# Allegro board T736_DEMO_DBOARD_V0-5-draft.brd (continued)
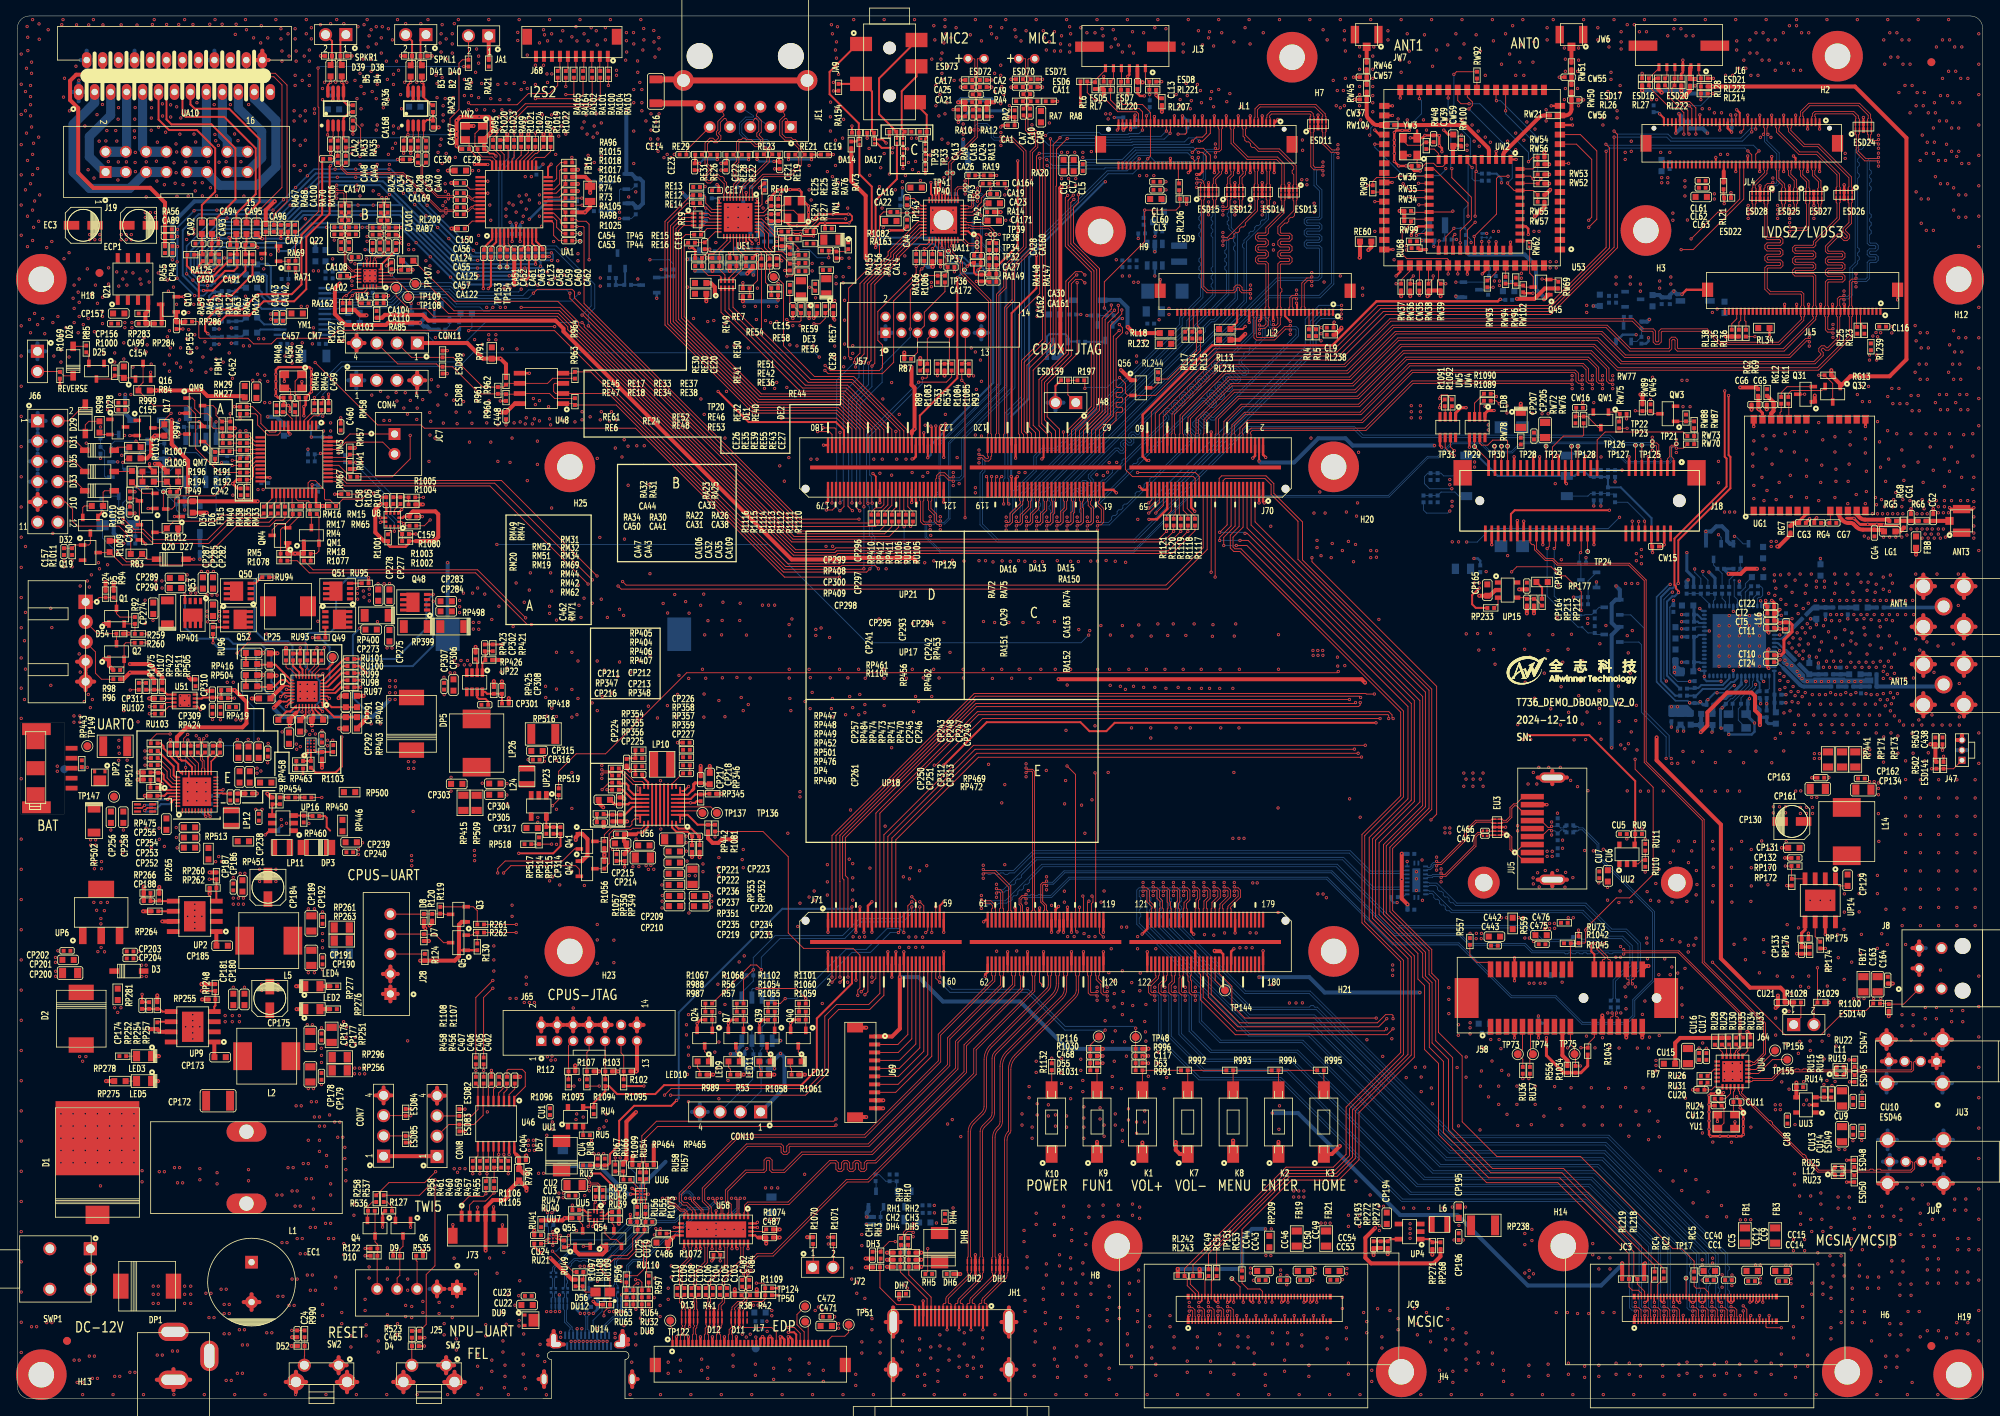
[diagram p0: board, top side]
## Routing (per net, layer and track width the routed paths; a pad name or vN(x,y) marks a point on that pad's centre or on a via; arc(x,y) is an arc through that point) (continued)
  TOP w0.381: v1(72.14,12.19) 72.54,11.79 DU12.1 ; RP172.1 v1(221.67,64.3) ; v1(39.5,162.71) 39.55,162.77 UA4.7 ; v1(58.93,154.69) v1(57.26,154.71) ; CP163.1 v1(224.82,77.83) ; v1(55.02,157.01) 55.4,156.62 CE30.1 ; C468.1 v1(135.99,42.95) ; CE27.1 102.23,135.36 v1(102.39,135.2) ; UP14.7 v1(226.49,58.19) ; v1(49.53,162.71) 49.59,162.77 UA2.7 ; D53.1 v1(141.7,42.05) ; v1(48.39,156.11) RA24.1 ; RP174.1 v1(226.49,56.43) ; v1(37.97,168.3) D39.1 ; v1(51.94,168.3) D40.1 ; v1(39.24,156.11) CA42.2 ; v1(49.28,156.11) CA34.2 ; CP132.1 v1(221.41,67.77) ; v1(41.91,168.3) D38.1 ; D55.1 v1(135.99,42.05) ; RP175.1 v1(224.37,58.33) ; C117.1 v1(141.7,42.95) ; CP131.1 v1(221.03,69.04) ; v1(48.01,168.3) D41.1
  TOP w0.406: ESD88.1 v1(53.85,128.48) ; v1(191.6,74.45) JU5.4 ; ESD89.1 v1(53.85,131.36)
  TOP w0.508: J65.4 67.63,47.68 ; J65.4 68.46,46.85 ; J65.4 66.8,46.85 ; J65.4 67.63,46.02 ; D54.1 v1(13.97,95.89) ; 239.99,45.01 JU3.8 ; JU3.8 242.34,45.01 ; JU3.8 241.17,46.19 ; EC1.2 29.34,13.08 ; EC1.2 30.32,12.11 ; EC1.2 29.34,11.13 ; EC1.2 28.36,12.11 ; CP308.2 v1(60.71,89.9) ; SW2.4 36.18,2.09 ; SW2.4 33.62,2.09 ; SW2.4 34.9,0.81 ; SW2.4 34.9,3.37 ; 68.46,6.8 JU2.4 66.5,6.8 ; 29.91,167.78 UA10.24 ; UA10.24 30.69,168.95 ; UA10.24 31.46,167.78 ; CH3.1 v1(113.26,17.41) ; J10.9 3.54,112.39 ; J10.9 1.54,112.39 ; J10.9 2.54,111.39 ; J10.9 2.54,113.4 ; 109.72,2.32 JH1.22 ; JH1.22 110.65,3.64 ; JH1.22 108.79,3.64 ; JH1.22 109.72,4.97 ; R1019.1 v1(65.91,158.5) ; J25.2 52.57,14.68 ; J25.2 53.5,13.75 ; J25.2 52.57,12.82 ; 45.88,37.01 CON7.4 ; CON7.4 45.88,39.02 ; CON7.4 46.88,38.01 ; CON7.4 44.87,38.01 ; SW3.4 48.36,3.37 ; SW3.4 48.36,0.81 ; SW3.4 49.64,2.09 ; SW3.4 47.08,2.09 ; 55.07,12.82 J25.1 ; J25.1 54.15,13.75 ; J25.1 56,13.75 ; J25.1 55.07,14.68 ; v1(51.64,59.31) 51.97,59.64 R120.2 ; 77.63,46.02 J65.14 ; J65.14 78.46,46.85 ; J65.14 77.63,47.68 ; J65.14 76.8,46.85 ; C164.2 v1(234.95,52.03) ; J58.B16 v1(201.56,45.26) ; 75.82,8.48 JU2.1 76.5,7.3 ; 65.98,1.47 JU2.6 ; JU2.6 65.3,2.45 ; JU2.6 65.98,3.43 ; DH7.1 v1(110.47,12.44) ; K2.1 v1(157.99,32.18) ; JU2.5 77.7,2.45 ; JU2.5 77.02,3.43 ; JU2.5 77.02,1.47 ; 71.63,46.02 J65.8 ; J65.8 70.8,46.85 ; J65.8 72.46,46.85 ; J65.8 71.63,47.68 ; 45.8,53.23 J28.2 ; J28.2 47.66,53.23 ; J28.2 46.73,54.16 ; J28.2 46.73,52.3 ; 65.63,46.02 J65.2 ; J65.2 65.63,47.68 ; J65.2 66.46,46.85 ; DH5.1 v1(113.26,16.52) ; JH1.21 124.22,11.43 ; JH1.21 125.15,9.6 ; JH1.21 123.29,9.6 ; JH1.21 124.22,7.78 ; v1(40.23,87.81) 40.51,88.09 CP291.2 ; v1(220.27,48.97) 220.56,49.26 CU21.1 v1(220.56,50.52) ; LED4.2 v1(34.92,51.69) ; J1.2 19.56,3.69 ; J1.2 19.56,1.05 ; J1.2 21.64,2.37 ; J1.2 17.47,2.37 ; 39.25,4.19 SW2.1 ; SW2.1 40.25,3.18 ; SW2.1 41.25,4.19 ; SW2.1 40.25,5.19 ; C150.2 v1(53.92,153.92) ; 66.5,7.3 JU2.3 67.18,8.48 ; JU5.10 194.12,65.05 ; JU5.10 192.29,65.88 ; JU5.10 190.46,65.05 ; JU5.10 192.29,64.22 ; R41.1 v1(89.87,13.72) ; CP224.2 76.33,79.11 v1(76.72,78.71) ; 234.29,25.79 JU4.5 ; JU4.5 233.12,26.97 ; JU4.5 235.47,26.97 ; RP213.2 v1(189.99,98.42) ; RW56.1 v1(191.9,154.71) ; v1(145.12,32.16) 145.12,31.17 145.63,30.66 K7.1 ; v1(152.3,32.33) 152.3,32.33 K8.1 ; RP423.1 v1(57.4,94.22) ; CA122.2 v1(54.38,146.66) ; JU5.11 192.29,78.68 ; JU5.11 192.29,77.02 ; JU5.11 190.46,77.85 ; JU5.11 194.12,77.85 ; CP296.2 v1(32.59,93.42) ; D7.1 v1(51.56,57.36) ; LED5.2 v1(17.63,39.8) ; CU24.1 v1(64.75,21.06) ; YN2.2 v1(57.15,159.52) ; v1(76.05,75.18) 75.88,75.35 CP212.2 ; 68.8,46.85 J65.6 ; J65.6 69.63,47.68 ; J65.6 70.46,46.85 ; J65.6 69.63,46.02 ; R1021.1 v1(63.12,158.5) ; 50.09,126.63 CON4.4 ; CON4.4 50.09,128.64 ; CON4.4 51.09,127.64 ; CON4.4 49.08,127.64 ; J58.A18 203.97,54.23 v1(204.34,54.23) ; UP15.2 185.17,101.35 184.45,100.63 CP165.1 v1(183.13,100.63) ; 109.72,7.78 JH1.20 ; JH1.20 108.79,9.6 ; JH1.20 110.65,9.6 ; JH1.20 109.72,11.43 ; SW3.3 56.04,2.09 ; SW3.3 54.76,3.37 ; SW3.3 53.48,2.09 ; SW3.3 54.76,0.81 ; 73.63,46.02 J65.10 ; J65.10 74.46,46.85 ; J65.10 72.8,46.85 ; J65.10 73.63,47.68 ; R94.2 v1(12.06,102.36) ; CP311.2 v1(16.51,87.76) ; 233.58,42.28 JU3.4 ; JU3.4 235.29,42.28 ; JU3.4 234.44,43.13 ; CP166.1 v1(188.13,101.43) ; 41.49,132.31 CON11.4 ; CON11.4 42.49,131.3 ; CON11.4 43.5,132.31 ; CON11.4 42.49,133.31 ; RP348.2 CP213.2 v1(76.39,72.35) ; CE29.1 58.49,157.57 YN2.4 58.41,157.77 v1(59.24,158.6) 59.41,158.78 v1(59.41,159.57) v1(59.41,160.3) 59.05,160.66 v1(58.79,160.66) v1(57.85,160.66) v1(56.96,160.66) v1(55.5,160.66) v1(55.02,160.18) v1(55.02,158.81) v1(55.02,158.05) v1(55.02,157.01) ; JH1.23 124.22,4.97 ; JH1.23 124.22,2.32 ; JH1.23 125.15,3.64 ; JH1.23 123.29,3.64 ; 7.47,92.37 J24.4 8.55,91.29 ; CP299.2 v1(30.81,93.47) ; CON8.4 52.58,38.98 ; CON8.4 51.57,37.97 ; CON8.4 52.58,36.97 ; CON8.4 53.58,37.97 ; v1(21.46,90.42) 21.74,90.15 RP505.1 ; 76.5,6.8 JU2.2 76.5,7.48 ; CP218.2 v1(86.74,79.3) ; RP472.2 v1(30.01,75.84) ; v1(165.67,31.66) 164.67,30.66 K3.1 ; FB8.2 v1(237.86,105.79) ; UP9.7 17.86,45.97 RP257.1 v1(16.55,46.31) ; v1(63.75,30.48) 63.7,30.43 C404.1 ; CA167.2 v1(52.79,159.34) ; 40.02,2.09 SW2.3 ; SW2.3 42.58,2.09 ; SW2.3 41.3,0.81 ; SW2.3 41.3,3.37 ; C487.1 v1(95.5,20.19) ; v1(73.39,74.12) 72.82,74.69 CP211.2 ; LED2.2 v1(34.98,48.82) ; J69.11 v1(106.34,46.49) ; 46.73,49.8 J28.1 ; J28.1 46.73,51.66 ; J28.1 45.8,50.73 ; J28.1 47.66,50.73 ; D8.1 50.93,59.13 v1(51.1,58.95) ; R1023.1 v1(61.37,158.5) ; CP164.1 v1(189.1,98.42) ; v1(190.12,148.21) 191.31,149.4 RW57.1 ; 52.71,4.19 SW3.1 ; SW3.1 53.71,5.19 ; SW3.1 53.71,3.18 ; SW3.1 54.72,4.19 ; JU4.7 242.47,26.97 ; JU4.7 240.12,26.97 ; JU4.7 241.29,25.79 ; RP458.2 31.78,75.35 v1(31.31,75.83) ; CH2.1 v1(108.94,17.41) ; J58.B13 v1(198.56,48.03) ; DH4.1 v1(108.94,16.52) ; CP292.2 v1(40.31,84) ; CA123.1 v1(62.25,139.57) ; J8.3 238.25,57.3 ; J8.3 237.42,56.48 ; J8.3 238.25,55.65 ; v1(106.34,35.29) J69.12 ; J69.10 v1(108.46,36.39) ; v1(73.45,71.63) 73.45,72.26 CP216.2 ; RP271.2 v1(177.27,18.03) ; CA56.2 v1(54.36,152.37) ; DH6.1 v1(118.12,15.62) ; R1074.1 v1(95.5,21.21) ; R1017.1 v1(70.23,152.25) ; CP310.1 v1(23.74,88.73) ; J24.5 9.63,89.87 ; J24.5 8.55,88.79 ; J24.5 7.47,89.87 ; J24.5 8.55,90.95 ; CH1.1 v1(106.26,17.56) ; JU3.6 235.34,45.01 ; JU3.6 232.99,45.01 ; JU3.6 234.17,46.19 ; JU3.6 234.17,43.83 ; UP2.7 v1(18.16,59.82) ; RP265.1 v1(17.78,64.14) ; R1015.1 v1(70.23,154.03) ; DH3.1 v1(106.29,16.46) ; RP264.1 v1(15.75,61.09) ; ESD140.1 v1(234.44,47.93) ; K1.1 v1(140.94,32.11) ; RP273.1 v1(171.68,18.11) ; D52.1 v1(34.35,6.6) ; RP255.2 v1(23.14,50.04) ; v1(203.56,45.26) J58.B18 ; RP426.1 v1(60.72,92.58) ; RP262.1 v1(24.09,63.25) ; RP254.1 v1(17.53,50.55) ; R1024.1 v1(64.01,158.5) ; R1022.1 v1(66.8,158.5) ; C24.2 v1(34.4,7.7) ; RP462.1 v1(38.16,79.08) ; K9.1 v1(135.25,32.18) ; CP298.2 v1(29.36,87.76) ; D5.1 v1(11.05,102.36) ; J69.9 v1(108.48,37.39) ; CP217.2 v1(85.6,79.31) ; RP425.1 v1(59.69,89.93) ; CP300.2 v1(30.81,90.68) ; LED3.2 v1(17.73,42.93) ; R1029.1 v1(226.95,49.66) ; RA14.1 v1(123.19,148.72) ; R1016.1 v1(70.23,151.36) ; v1(32.49,90.63) CP297.2
  TOP w0.762: JE1.10 85.04,162.35 CE16.1
  L2GND w0.508: JH1.22 109.72,4.97 ; JH1.22 110.65,3.64 ; JH1.22 109.72,2.32 ; JH1.22 108.79,3.64 ; 65.98,1.47 JU2.6 ; JU2.6 65.3,2.45 ; JU2.6 65.98,3.43 ; J65.10 74.46,46.85 ; J65.10 73.63,46.02 ; J65.10 73.63,47.68 ; J65.10 72.8,46.85 ; 39.25,4.19 SW2.1 ; SW2.1 40.25,3.18 ; SW2.1 40.25,5.19 ; SW2.1 41.25,4.19 ; 41.49,132.31 CON11.4 ; CON11.4 42.49,131.3 ; CON11.4 43.5,132.31 ; CON11.4 42.49,133.31 ; 234.17,38.36 JU3.5 ; JU3.5 235.34,39.54 ; JU3.5 234.17,40.72 ; JU3.5 232.99,39.54 ; 109.72,7.78 JH1.20 ; JH1.20 109.72,11.43 ; JH1.20 108.79,9.6 ; JH1.20 110.65,9.6 ; UA10.13 19.68,164.95 ; UA10.13 18.91,163.77 ; UA10.13 19.68,162.6 ; UA10.13 20.46,163.77 ; 239.99,39.54 JU3.7 ; JU3.7 241.17,38.36 ; JU3.7 241.17,40.72 ; JU3.7 242.34,39.54 ; UA10.24 30.69,168.95 ; UA10.24 29.91,167.78 ; UA10.24 31.46,167.78 ; UA10.24 30.69,166.6 ; JU5.11 192.29,78.68 ; JU5.11 192.29,77.02 ; JU5.11 190.46,77.85 ; JU5.11 194.12,77.85 ; UA10.2 8.68,168.95 ; UA10.2 9.46,167.78 ; UA10.2 8.68,166.6 ; UA10.2 7.91,167.78 ; 53.71,3.18 SW3.1 ; SW3.1 53.71,5.19 ; SW3.1 52.71,4.19 ; SW3.1 54.72,4.19 ; JH1.23 125.15,3.64 ; JH1.23 124.22,2.32 ; JH1.23 124.22,4.97 ; JH1.23 123.29,3.64 ; 192.29,64.22 JU5.10 ; JU5.10 190.46,65.05 ; JU5.10 194.12,65.05 ; JU5.10 192.29,65.88 ; 123.29,9.6 JH1.21 ; JH1.21 125.15,9.6 ; JH1.21 124.22,11.43 ; JH1.21 124.22,7.78 ; J25.2 53.5,13.75 ; J25.2 51.64,13.75 ; J25.2 52.57,12.82 ; J25.2 52.57,14.68 ; 50.09,126.63 CON4.4 ; CON4.4 51.09,127.64 ; CON4.4 49.08,127.64 ; CON4.4 50.09,128.64 ; 239.99,45.01 JU3.8 ; JU3.8 241.17,43.83 ; JU3.8 242.34,45.01 ; JU3.8 241.17,46.19 ; 17.47,2.37 J1.2 ; J1.2 19.56,3.69 ; J1.2 19.56,1.05 ; J1.2 21.64,2.37 ; J57.8 115.59,135.6 ; J57.8 114.76,134.77 ; J57.8 114.76,136.42 ; J57.8 113.93,135.6 ; 66.8,46.85 J65.4 ; J65.4 67.63,47.68 ; J65.4 68.46,46.85 ; J65.4 67.63,46.02 ; J8.3 238.25,57.3 ; J8.3 239.08,56.48 ; J8.3 237.42,56.48 ; J8.3 238.25,55.65 ; J57.10 117.58,135.6 ; J57.10 116.76,134.77 ; J57.10 116.76,136.42 ; J57.10 115.93,135.6 ; 107.93,135.6 J57.2 ; J57.2 108.76,134.77 ; J57.2 108.76,136.42 ; J57.2 109.59,135.6 ; 70.8,46.85 J65.8 ; J65.8 71.63,47.68 ; J65.8 72.46,46.85 ; J65.8 71.63,46.02 ; 24.69,166.6 UA10.18 ; UA10.18 24.69,168.95 ; UA10.18 23.91,167.78 ; UA10.18 25.46,167.78 ; 6.91,163.77 UA10.1 ; UA10.1 7.69,162.6 ; UA10.1 7.69,164.95 ; UA10.1 8.46,163.77 ; J10.9 2.54,113.4 ; J10.9 3.54,112.39 ; J10.9 2.54,111.39 ; J10.9 1.54,112.39 ; JU4.4 234.56,30.56 ; JU4.4 233.71,29.7 ; JU4.4 234.56,28.85 ; JU4.4 235.42,29.7 ; J65.2 65.63,47.68 ; J65.2 65.63,46.02 ; J65.2 64.8,46.85 ; J65.2 66.46,46.85 ; 66.5,6.8 JU2.4 68.46,6.8 ; JU4.6 235.47,32.44 ; JU4.6 234.29,33.62 ; JU4.6 234.29,31.26 ; JU4.6 233.12,32.44 ; JU3.4 235.29,42.28 ; JU3.4 234.44,43.13 ; JU3.4 233.58,42.28 ; JU3.4 234.44,41.42 ; J57.4 111.59,135.6 ; J57.4 110.76,134.77 ; J57.4 110.76,136.42 ; J57.4 109.93,135.6 ; EC1.2 29.34,13.08 ; EC1.2 30.32,12.11 ; EC1.2 28.36,12.11 ; EC1.2 29.34,11.13 ; 241.29,25.79 JU4.7 ; JU4.7 242.47,26.97 ; JU4.7 241.29,28.15 ; JU4.7 240.12,26.97 ; 34.9,0.81 SW2.4 ; SW2.4 34.9,3.37 ; SW2.4 33.62,2.09 ; SW2.4 36.18,2.09 ; J25.1 56,13.75 ; J25.1 54.15,13.75 ; J25.1 55.07,12.82 ; J25.1 55.07,14.68 ; JU4.8 242.47,32.44 ; JU4.8 241.29,31.26 ; JU4.8 241.29,33.62 ; JU4.8 240.12,32.44 ; 8.55,91.29 J24.4 ; J24.4 9.63,92.37 ; J24.4 8.55,93.45 ; J24.4 7.47,92.37 ; 130.05,123.84 J48.2 ; J48.2 131.05,124.84 ; J48.2 130.05,125.84 ; J48.2 129.04,124.84 ; SW3.3 54.76,3.37 ; SW3.3 54.76,0.81 ; SW3.3 56.04,2.09 ; SW3.3 53.48,2.09 ; 40.02,2.09 SW2.3 ; SW2.3 42.58,2.09 ; SW2.3 41.3,0.81 ; SW2.3 41.3,3.37 ; 77.63,46.02 J65.14 ; J65.14 77.63,47.68 ; J65.14 76.8,46.85 ; J65.14 78.46,46.85 ; 13.91,167.78 UA10.8 ; UA10.8 15.46,167.78 ; UA10.8 14.68,166.6 ; UA10.8 14.68,168.95 ; J24.5 8.55,90.95 ; J24.5 7.47,89.87 ; J24.5 9.63,89.87 ; J24.5 8.55,88.79 ; 119.93,135.6 J57.14 ; J57.14 120.76,134.77 ; J57.14 121.59,135.6 ; J57.14 120.76,136.42 ; JU3.6 235.34,45.01 ; JU3.6 232.99,45.01 ; JU3.6 234.17,43.83 ; JU3.6 234.17,46.19 ; CON10.4 86.5,35.94 ; CON10.4 85.49,36.94 ; CON10.4 85.49,34.94 ; CON10.4 84.49,35.94 ; 67.18,8.48 JU2.3 66.5,7.3 ; CON8.4 52.58,38.98 ; CON8.4 52.58,36.97 ; CON8.4 53.58,37.97 ; CON8.4 51.57,37.97 ; 44.87,38.01 CON7.4 ; CON7.4 46.88,38.01 ; CON7.4 45.88,37.01 ; CON7.4 45.88,39.02 ; 244.24,81.28 J47.2 242.98,81.28 ; 234.29,25.79 JU4.5 ; JU4.5 234.29,28.15 ; JU4.5 235.47,26.97 ; JU4.5 233.12,26.97 ; J57.6 113.59,135.6 ; J57.6 111.93,135.6 ; J57.6 112.76,134.77 ; J57.6 112.76,136.42 ; 68.8,46.85 J65.6 ; J65.6 70.46,46.85 ; J65.6 69.63,46.02 ; J65.6 69.63,47.68 ; J28.1 47.66,50.73 ; J28.1 45.8,50.73 ; J28.1 46.73,49.8 ; J28.1 46.73,51.66 ; J28.2 47.66,53.23 ; J28.2 46.73,54.16 ; J28.2 46.73,52.3 ; J28.2 45.8,53.23 ; 74.54,6.8 JU2.2 76.5,6.8 ; JU2.5 77.02,3.43 ; JU2.5 77.7,2.45 ; JU2.5 77.02,1.47 ; SW3.4 48.36,3.37 ; SW3.4 47.08,2.09 ; SW3.4 48.36,0.81 ; SW3.4 49.64,2.09 ; 75.82,8.48 JU2.1 76.5,7.3
  L3 w0.254: 76.28,118.85 79,118.85 83.52,123.37 v1(86.05,123.37) v1(91.61,123.37) v1(110.48,123.37) 112.37,123.37 v1(113.73,122.01) 113.94,121.79 113.94,121.69 114.33,121.31 115.8,121.31 116.26,121.77 v1(116.26,122.17) 115.87,122.56 115.87,122.61 114.55,123.93 113.18,125.3 v1(108.42,125.3) v1(85.63,125.3) 81.13,125.3 v1(76.02,120.19) 76.02,119.11 76.28,118.85
  L3 w0.508: 239.99,39.54 JU3.7 ; JU3.7 241.17,40.72 ; JU3.7 241.17,38.36 ; JU3.7 242.34,39.54 ; 8.55,88.79 J24.5 ; J24.5 7.47,89.87 ; J24.5 8.55,90.95 ; 23.91,167.78 UA10.18 ; UA10.18 24.69,166.6 ; UA10.18 25.46,167.78 ; J8.3 238.25,57.3 ; J8.3 238.25,55.65 ; J8.3 237.42,56.48 ; J8.3 239.08,56.48 ; 109.72,7.78 JH1.20 ; JH1.20 108.79,9.6 ; JH1.20 110.65,9.6 ; JH1.20 109.72,11.43 ; 192.29,77.02 JU5.11 ; JU5.11 190.46,77.85 ; JU5.11 194.12,77.85 ; JU5.11 192.29,78.68 ; 75.82,8.48 JU2.1 76.5,7.3 ; 54.76,0.81 SW3.3 ; SW3.3 53.48,2.09 ; SW3.3 56.04,2.09 ; SW3.3 54.76,3.37 ; 40.02,2.09 SW2.3 ; SW2.3 41.3,3.37 ; SW2.3 41.3,0.81 ; SW2.3 42.58,2.09 ; UA10.2 9.46,167.78 ; UA10.2 7.91,167.78 ; UA10.2 8.68,166.6 ; JU4.6 234.29,33.62 ; JU4.6 234.29,31.26 ; JU4.6 233.12,32.44 ; JU4.6 235.47,32.44 ; 54.15,13.75 J25.1 ; J25.1 56,13.75 ; J25.1 55.07,14.68 ; J25.1 55.07,12.82 ; 39.25,4.19 SW2.1 ; SW2.1 41.25,4.19 ; SW2.1 40.25,5.19 ; SW2.1 40.25,3.18 ; JU4.7 242.47,26.97 ; JU4.7 240.12,26.97 ; JU4.7 241.29,25.79 ; JU4.7 241.29,28.15 ; 242.98,81.28 J47.2 244.24,81.28 ; CON10.4 86.5,35.94 ; CON10.4 85.49,34.94 ; CON10.4 85.49,36.94 ; CON10.4 84.49,35.94 ; 233.71,29.7 JU4.4 ; JU4.4 234.56,28.85 ; JU4.4 234.56,30.56 ; JU4.4 235.42,29.7 ; JH1.21 125.15,9.6 ; JH1.21 124.22,11.43 ; JH1.21 123.29,9.6 ; JH1.21 124.22,7.78 ; 70.8,46.85 J65.8 ; J65.8 71.63,46.02 ; J65.8 72.46,46.85 ; J65.8 71.63,47.68 ; 19.56,1.05 J1.2 ; J1.2 19.56,3.69 ; J1.2 17.47,2.37 ; J1.2 21.64,2.37 ; JU2.5 77.02,3.43 ; JU2.5 77.7,2.45 ; JU2.5 77.02,1.47 ; 8.55,91.29 J24.4 ; J24.4 8.55,93.45 ; J24.4 7.47,92.37 ; SW2.4 36.18,2.09 ; SW2.4 34.9,3.37 ; SW2.4 33.62,2.09 ; SW2.4 34.9,0.81 ; 65.63,46.02 J65.2 ; J65.2 66.46,46.85 ; J65.2 65.63,47.68 ; J65.2 64.8,46.85 ; J48.2 130.05,125.84 ; J48.2 129.04,124.84 ; J48.2 131.05,124.84 ; 66.5,7.3 JU2.3 67.18,8.48 ; 234.17,43.83 JU3.6 ; JU3.6 235.34,45.01 ; JU3.6 234.17,46.19 ; JU3.6 232.99,45.01 ; 66.8,46.85 J65.4 ; J65.4 67.63,47.68 ; J65.4 68.46,46.85 ; J65.4 67.63,46.02 ; 52.58,36.97 CON8.4 ; CON8.4 52.58,38.98 ; CON8.4 53.58,37.97 ; CON8.4 51.57,37.97 ; JH1.22 110.65,3.64 ; JH1.22 109.72,2.32 ; JH1.22 108.79,3.64 ; JH1.22 109.72,4.97 ; 76.8,46.85 J65.14 ; J65.14 77.63,46.02 ; J65.14 78.46,46.85 ; J65.14 77.63,47.68 ; 28.36,12.11 EC1.2 ; EC1.2 29.34,13.08 ; EC1.2 29.34,11.13 ; EC1.2 30.32,12.11 ; JU4.8 241.29,33.62 ; JU4.8 242.47,32.44 ; JU4.8 241.29,31.26 ; JU4.8 240.12,32.44 ; UA10.13 20.46,163.77 ; UA10.13 19.68,162.6 ; UA10.13 18.91,163.77 ; UA10.13 19.68,164.95 ; J10.9 2.54,113.4 ; J10.9 1.54,112.39 ; J10.9 2.54,111.39 ; J10.9 3.54,112.39 ; 14.68,166.6 UA10.8 ; UA10.8 13.91,167.78 ; UA10.8 15.46,167.78 ; JU3.5 234.17,40.72 ; JU3.5 232.99,39.54 ; JU3.5 234.17,38.36 ; JU3.5 235.34,39.54 ; CON7.4 45.88,39.02 ; CON7.4 44.87,38.01 ; CON7.4 45.88,37.01 ; CON7.4 46.88,38.01 ; 47.08,2.09 SW3.4 ; SW3.4 49.64,2.09 ; SW3.4 48.36,0.81 ; SW3.4 48.36,3.37 ; 51.64,13.75 J25.2 ; J25.2 52.57,12.82 ; J25.2 53.5,13.75 ; J25.2 52.57,14.68 ; 68.46,6.8 JU2.4 66.5,6.8 ; 239.99,45.01 JU3.8 ; JU3.8 242.34,45.01 ; JU3.8 241.17,46.19 ; JU3.8 241.17,43.83 ; 29.91,167.78 UA10.24 ; UA10.24 30.69,166.6 ; UA10.24 30.69,168.95 ; UA10.24 31.46,167.78 ; UA10.1 8.46,163.77 ; UA10.1 7.69,162.6 ; UA10.1 7.69,164.95 ; UA10.1 6.91,163.77 ; JH1.23 125.15,3.64 ; JH1.23 124.22,2.32 ; JH1.23 123.29,3.64 ; JH1.23 124.22,4.97 ; 72.8,46.85 J65.10 ; J65.10 74.46,46.85 ; J65.10 73.63,46.02 ; J65.10 73.63,47.68 ; 68.8,46.85 J65.6 ; J65.6 69.63,47.68 ; J65.6 69.63,46.02 ; J65.6 70.46,46.85 ; 52.71,4.19 SW3.1 ; SW3.1 53.71,3.18 ; SW3.1 53.71,5.19 ; SW3.1 54.72,4.19 ; 190.46,65.05 JU5.10 ; JU5.10 192.29,65.88 ; JU5.10 192.29,64.22 ; JU5.10 194.12,65.05 ; 45.8,53.23 J28.2 ; J28.2 46.73,54.16 ; J28.2 46.73,52.3 ; J28.2 47.66,53.23 ; 65.98,1.47 JU2.6 ; JU2.6 65.3,2.45 ; JU2.6 65.98,3.43 ; 234.44,41.42 JU3.4 ; JU3.4 233.58,42.28 ; JU3.4 234.44,43.13 ; JU3.4 235.29,42.28 ; 74.54,6.8 JU2.2 76.5,6.8 ; JU4.5 235.47,26.97 ; JU4.5 234.29,25.79 ; JU4.5 233.12,26.97 ; JU4.5 234.29,28.15 ; 46.73,49.8 J28.1 ; J28.1 45.8,50.73 ; J28.1 46.73,51.66 ; J28.1 47.66,50.73
  L4 w0.203: 114.96,150.91 116.08,152.03 116.08,152.22 ; 103.3,148.16 103.61,148.46 v1(104.11,148.46) 104.32,148.26 104.32,147.5 v1(104.19,147.37) v1(104.19,142.95) v1(104.19,141.78) 103.45,141.05 v1(103.45,140.61) v1(103.45,139.85) 103.63,139.67 v1(103.63,137.67) v1(103.63,135.18) v1(103.63,132.18) v1(103.63,130.45) 104.78,129.31 v1(105,129.31) 105,129.08 108.42,125.67 v1(108.42,125.3) 108.55,125.3 v1(110.48,123.37) 111.3,122.54 111.3,117.78 v1(111.33,117.75) v1(110.16,117.75) 110.16,120.14 104.29,126.01 104.29,128.5 103.5,129.29 v1(103.5,129.34) 103.5,129.41 v1(102.39,130.53) v1(102.39,131.93) v1(102.39,135.2) v1(102.39,137.64) 102.39,139.57 v1(102.57,139.75) v1(102.57,140.61) 102.57,141.68 103.3,142.42 v1(103.3,142.93) 103.3,148.16
  L4 w0.254: 114.96,150.91 114.06,150.01 112.88,150.01 111.18,148.31 v1(111.18,143.23) v1(111.18,141.01) 111.18,140.03 108.76,137.61 J57.2 107.83,134.67 107.83,132.74 v1(111.12,129.45) 111.46,129.12 111.46,128.17 v1(116.26,123.37) v1(116.26,122.17) 116.26,121.77 115.72,121.23 114.4,121.23 113.73,121.91 v1(113.73,122.01) 113.73,123.15 v1(109.52,127.36) 109.52,128.31 105.77,132.07 105.77,137.36 v1(109.25,140.84) v1(109.25,146.43) 109.25,149.11 112.08,151.94 113.13,151.94 113.77,152.58 113.77,153.52 v1(113.74,153.54) 113.74,153.85 v1(112.52,155.07) 111.43,156.15 v1(109.61,156.15) 109.19,156.57 109.19,157.05 109.32,157.17 109.32,157.57 109.25,157.64 v1(109.25,158.12) 109.35,158.21 111.79,158.21 v1(112.01,157.99) v1(112.65,157.99) 113.08,157.99 v1(114.72,156.35) v1(116.08,154.99) v1(116.08,153.04) 116.08,152.22 ; v1(67.54,69.47) v1(67.54,73.87) v1(67.54,80.02) v1(67.54,85.5) v1(67.54,88.94) v1(67.54,93.55) v1(67.54,97.58) 67.54,102.51 v1(68.56,103.54) v1(72.97,107.94) 76.52,111.49 v1(76.52,114.48) 76.52,118.43 76.02,118.92 v1(76.02,120.19) 76.15,120.32 78.64,120.32 79.12,119.84 v1(79.12,114.57) 79.12,110.79 v1(76.06,107.73) v1(70.29,101.96) 69.47,101.14 v1(69.47,97.61) v1(69.47,93.54) v1(69.47,88.89) v1(69.47,85.42) v1(69.47,78.47) v1(69.47,73.98) v1(69.47,69.44) v1(69.47,66.09) 69.47,65.89 v1(71.04,64.32) 74.73,60.63 v1(74.73,57.46) v1(74.73,54.64) 74.73,47.95 J65.10 73.63,46.82 74.56,45.89 74.56,44.46 73.23,43.13 73.23,42.06 72.36,41.2 72.36,37.41 72.9,36.88 v1(72.9,33.83) 71.92,32.85 v1(71.92,32.35) 71.92,31.01 v1(72.24,30.68) 72.24,30.25 72.49,30 72.49,28.07 72.11,27.69 v1(71.65,27.69) 71.37,27.69 71.12,27.43 71.12,26.31 71.37,26.06 v1(71.65,26.06) 71.65,26.03 v1(71.07,25.45) 71.07,24.43 70.05,23.42 v1(70.05,21.07) 70.05,19.28 69.47,18.69 68.81,18.69 68.55,18.95 68.55,19.95 v1(69.06,20.46) 69.04,20.49 69.04,24.51 69.47,24.94 69.47,33.82 70.89,35.24 v1(70.89,35.29) 70.89,36.16 70.43,36.61 v1(70.43,38.1) v1(70.43,39.97) 70.43,42.04 68.68,43.79 67.37,43.79 66.7,44.46 66.7,45.92 J65.4 67.63,46.95 v1(69.64,48.96) 72.64,51.97 v1(72.64,54.57) v1(72.64,57.5) v1(72.64,59.44) 67.94,64.14 v1(67.94,64.39) 67.54,64.8 v1(67.54,66.12) v1(67.54,69.47)
  L4 w0.508: JH1.23 125.15,3.64 ; JH1.23 123.29,3.64 ; JH1.23 124.22,2.32 ; JH1.23 124.22,4.97 ; 192.29,64.22 JU5.10 ; JU5.10 190.46,65.05 ; JU5.10 192.29,65.88 ; JU5.10 194.12,65.05 ; 234.17,38.36 JU3.5 ; JU3.5 235.34,39.54 ; JU3.5 234.17,40.72 ; JU3.5 232.99,39.54 ; J8.3 238.25,57.3 ; J8.3 239.08,56.48 ; J8.3 238.25,55.65 ; J8.3 237.42,56.48 ; 241.17,43.83 JU3.8 ; JU3.8 239.99,45.01 ; JU3.8 241.17,46.19 ; JU3.8 242.34,45.01 ; SW2.4 36.18,2.09 ; SW2.4 34.9,0.81 ; SW2.4 34.9,3.37 ; SW2.4 33.62,2.09 ; 233.58,42.28 JU3.4 ; JU3.4 235.29,42.28 ; JU3.4 234.44,41.42 ; JU3.4 234.44,43.13 ; SW2.1 40.25,5.19 ; SW2.1 39.25,4.19 ; SW2.1 40.25,3.18 ; SW2.1 41.25,4.19 ; 76.5,7.3 JU2.1 75.82,8.48 ; 123.29,9.6 JH1.21 ; JH1.21 124.22,7.78 ; JH1.21 124.22,11.43 ; JH1.21 125.15,9.6 ; 85.49,34.94 CON10.4 ; CON10.4 85.49,36.94 ; CON10.4 84.49,35.94 ; CON10.4 86.5,35.94 ; J1.2 21.64,2.37 ; J1.2 19.56,1.05 ; J1.2 17.47,2.37 ; J1.2 19.56,3.69 ; 47.08,2.09 SW3.4 ; SW3.4 48.36,0.81 ; SW3.4 48.36,3.37 ; SW3.4 49.64,2.09 ; 2.54,111.39 J10.9 ; J10.9 1.54,112.39 ; J10.9 2.54,113.4 ; J10.9 3.54,112.39 ; 8.68,166.6 UA10.2 ; UA10.2 9.46,167.78 ; UA10.2 8.68,168.95 ; UA10.2 7.91,167.78 ; JU3.6 235.34,45.01 ; JU3.6 234.17,46.19 ; JU3.6 232.99,45.01 ; JU3.6 234.17,43.83 ; 52.57,12.82 J25.2 ; J25.2 51.64,13.75 ; J25.2 53.5,13.75 ; J25.2 52.57,14.68 ; 46.73,49.8 J28.1 ; J28.1 47.66,50.73 ; J28.1 45.8,50.73 ; J28.1 46.73,51.66 ; 46.73,52.3 J28.2 ; J28.2 45.8,53.23 ; J28.2 47.66,53.23 ; J28.2 46.73,54.16 ; 109.72,7.78 JH1.20 ; JH1.20 109.72,11.43 ; JH1.20 108.79,9.6 ; JH1.20 110.65,9.6 ; UA10.8 14.68,168.95 ; UA10.8 14.68,166.6 ; UA10.8 13.91,167.78 ; UA10.8 15.46,167.78 ; 19.68,162.6 UA10.13 ; UA10.13 18.91,163.77 ; UA10.13 20.46,163.77 ; UA10.13 19.68,164.95 ; CON11.4 43.5,132.31 ; CON11.4 42.49,131.3 ; CON11.4 41.49,132.31 ; CON11.4 42.49,133.31 ; 40.02,2.09 SW2.3 ; SW2.3 41.3,3.37 ; SW2.3 42.58,2.09 ; SW2.3 41.3,0.81 ; 44.87,38.01 CON7.4 ; CON7.4 45.88,39.02 ; CON7.4 45.88,37.01 ; JU2.5 77.02,3.43 ; JU2.5 77.7,2.45 ; JU2.5 77.02,1.47 ; 8.55,88.79 J24.5 ; J24.5 8.55,90.95 ; J24.5 7.47,89.87 ; J24.5 9.63,89.87 ; JU4.5 234.29,28.15 ; JU4.5 234.29,25.79 ; JU4.5 233.12,26.97 ; JU4.5 235.47,26.97 ; 116.76,134.77 J57.10 ; J57.10 117.58,135.6 ; J57.10 115.93,135.6 ; J57.10 116.76,136.42 ; 52.71,4.19 SW3.1 ; SW3.1 53.71,3.18 ; SW3.1 54.72,4.19 ; SW3.1 53.71,5.19 ; UA10.1 7.69,164.95 ; UA10.1 7.69,162.6 ; UA10.1 6.91,163.77 ; UA10.1 8.46,163.77 ; J48.2 130.05,125.84 ; J48.2 129.04,124.84 ; J48.2 130.05,123.84 ; J48.2 131.05,124.84 ; 68.46,6.8 JU2.4 66.5,6.8 ; 65.3,2.45 JU2.6 ; JU2.6 65.98,3.43 ; JU2.6 65.98,1.47 ; JU4.6 234.29,33.62 ; JU4.6 235.47,32.44 ; JU4.6 234.29,31.26 ; JU4.6 233.12,32.44 ; JU4.4 234.56,30.56 ; JU4.4 235.42,29.7 ; JU4.4 234.56,28.85 ; JU4.4 233.71,29.7 ; 67.18,8.48 JU2.3 66.5,7.3 ; J25.1 56,13.75 ; J25.1 54.15,13.75 ; J25.1 55.07,14.68 ; J25.1 55.07,12.82 ; JH1.22 109.72,4.97 ; JH1.22 109.72,2.32 ; JH1.22 110.65,3.64 ; JH1.22 108.79,3.64 ; 192.29,77.02 JU5.11 ; JU5.11 190.46,77.85 ; JU5.11 192.29,78.68 ; JU5.11 194.12,77.85 ; J57.14 121.59,135.6 ; J57.14 120.76,134.77 ; J57.14 119.93,135.6 ; J57.14 120.76,136.42 ; JU4.7 242.47,26.97 ; JU4.7 240.12,26.97 ; JU4.7 241.29,25.79 ; JU4.7 241.29,28.15 ; JU3.7 242.34,39.54 ; JU3.7 241.17,40.72 ; JU3.7 241.17,38.36 ; JU3.7 239.99,39.54 ; 29.34,11.13 EC1.2 ; EC1.2 29.34,13.08 ; EC1.2 30.32,12.11 ; EC1.2 28.36,12.11 ; SW3.3 56.04,2.09 ; SW3.3 54.76,3.37 ; SW3.3 53.48,2.09 ; SW3.3 54.76,0.81 ; J24.4 9.63,92.37 ; J24.4 8.55,91.29 ; J24.4 7.47,92.37 ; J24.4 8.55,93.45 ; UA10.18 24.69,168.95 ; UA10.18 24.69,166.6 ; UA10.18 23.91,167.78 ; UA10.18 25.46,167.78 ; UA10.24 30.69,168.95 ; UA10.24 29.91,167.78 ; UA10.24 31.46,167.78 ; UA10.24 30.69,166.6 ; 115.39,136.23 J57.8 115.59,135.6 ; 241.29,31.26 JU4.8 ; JU4.8 242.47,32.44 ; JU4.8 240.12,32.44 ; JU4.8 241.29,33.62 ; 50.09,126.63 CON4.4 ; CON4.4 49.08,127.64 ; CON4.4 50.09,128.64 ; CON4.4 51.09,127.64 ; 74.54,6.8 JU2.2 76.5,6.8 ; 242.98,81.28 J47.2 244.24,81.28
  L5GND w0.508: J65.2 66.46,46.85 ; J65.2 64.8,46.85 ; J65.2 65.63,47.68 ; J65.2 65.63,46.02 ; CON8.4 52.58,38.98 ; CON8.4 53.58,37.97 ; CON8.4 51.57,37.97 ; CON8.4 52.58,36.97 ; 192.29,77.02 JU5.11 ; JU5.11 192.29,78.68 ; JU5.11 190.46,77.85 ; JU5.11 194.12,77.85 ; EC1.2 29.34,13.08 ; EC1.2 30.32,12.11 ; EC1.2 28.36,12.11 ; EC1.2 29.34,11.13 ; 241.29,31.26 JU4.8 ; JU4.8 242.47,32.44 ; JU4.8 241.29,33.62 ; JU4.8 240.12,32.44 ; JU3.6 235.34,45.01 ; JU3.6 234.17,46.19 ; JU3.6 232.99,45.01 ; JU3.6 234.17,43.83 ; 17.47,2.37 J1.2 ; J1.2 21.64,2.37 ; J1.2 19.56,1.05 ; J1.2 19.56,3.69 ; 234.29,25.79 JU4.5 ; JU4.5 233.12,26.97 ; JU4.5 234.29,28.15 ; JU4.5 235.47,26.97 ; JU3.4 235.29,42.28 ; JU3.4 234.44,41.42 ; JU3.4 234.44,43.13 ; JU3.4 233.58,42.28 ; J57.10 116.76,136.42 ; J57.10 117.58,135.6 ; J57.10 115.93,135.6 ; J57.10 116.76,134.77 ; 108.79,3.64 JH1.22 ; JH1.22 109.72,4.97 ; JH1.22 109.72,2.32 ; JH1.22 110.65,3.64 ; 71.63,46.02 J65.8 ; J65.8 72.46,46.85 ; J65.8 71.63,47.68 ; J65.8 70.8,46.85 ; 241.17,38.36 JU3.7 ; JU3.7 242.34,39.54 ; JU3.7 239.99,39.54 ; JU3.7 241.17,40.72 ; 109.72,7.78 JH1.20 ; JH1.20 110.65,9.6 ; JH1.20 109.72,11.43 ; JH1.20 108.79,9.6 ; JU3.5 235.34,39.54 ; JU3.5 234.17,38.36 ; JU3.5 234.17,40.72 ; JU3.5 232.99,39.54 ; 24.69,166.6 UA10.18 ; UA10.18 24.69,168.95 ; UA10.18 25.46,167.78 ; UA10.18 23.91,167.78 ; J57.6 112.76,136.42 ; J57.6 113.59,135.6 ; J57.6 111.93,135.6 ; J57.6 112.76,134.77 ; J57.2 108.76,136.42 ; J57.2 107.93,135.6 ; J57.2 109.59,135.6 ; J57.2 108.76,134.77 ; J65.6 70.46,46.85 ; J65.6 69.63,46.02 ; J65.6 68.8,46.85 ; J65.6 69.63,47.68 ; 120.76,134.77 J57.14 ; J57.14 121.59,135.6 ; J57.14 119.93,135.6 ; J57.14 120.76,136.42 ; 54.15,13.75 J25.1 ; J25.1 56,13.75 ; J25.1 55.07,14.68 ; J25.1 55.07,12.82 ; 13.91,167.78 UA10.8 ; UA10.8 15.46,167.78 ; UA10.8 14.68,168.95 ; UA10.8 14.68,166.6 ; 65.3,2.45 JU2.6 ; JU2.6 65.98,1.47 ; JU2.6 65.98,3.43 ; JU4.4 235.42,29.7 ; JU4.4 233.71,29.7 ; JU4.4 234.56,30.56 ; JU4.4 234.56,28.85 ; 7.69,162.6 UA10.1 ; UA10.1 8.46,163.77 ; UA10.1 6.91,163.77 ; UA10.1 7.69,164.95 ; 238.25,55.65 J8.3 ; J8.3 238.25,57.3 ; J8.3 237.42,56.48 ; J8.3 239.08,56.48 ; 76.5,7.3 JU2.1 75.82,8.48 ; SW3.3 54.76,3.37 ; SW3.3 54.76,0.81 ; SW3.3 56.04,2.09 ; SW3.3 53.48,2.09 ; JH1.23 124.22,4.97 ; JH1.23 123.29,3.64 ; JH1.23 124.22,2.32 ; JH1.23 125.15,3.64 ; SW2.4 36.18,2.09 ; SW2.4 33.62,2.09 ; SW2.4 34.9,0.81 ; SW2.4 34.9,3.37 ; 76.5,6.8 JU2.2 74.54,6.8 ; JH1.21 124.22,11.43 ; JH1.21 123.29,9.6 ; JH1.21 125.15,9.6 ; JH1.21 124.22,7.78 ; J24.4 9.63,92.37 ; J24.4 8.55,91.29 ; J24.4 7.47,92.37 ; J24.4 8.55,93.45 ; SW2.1 40.25,5.19 ; SW2.1 39.25,4.19 ; SW2.1 40.25,3.18 ; SW2.1 41.25,4.19 ; 77.63,46.02 J65.14 ; J65.14 76.8,46.85 ; J65.14 77.63,47.68 ; J65.14 78.46,46.85 ; 50.09,126.63 CON4.4 ; CON4.4 49.08,127.64 ; CON4.4 50.09,128.64 ; CON4.4 51.09,127.64 ; 48.36,0.81 SW3.4 ; SW3.4 48.36,3.37 ; SW3.4 49.64,2.09 ; SW3.4 47.08,2.09 ; 234.29,31.26 JU4.6 ; JU4.6 234.29,33.62 ; JU4.6 235.47,32.44 ; JU4.6 233.12,32.44 ; JU2.5 77.7,2.45 ; JU2.5 77.02,3.43 ; JU2.5 77.02,1.47 ; 30.69,166.6 UA10.24 ; UA10.24 31.46,167.78 ; UA10.24 30.69,168.95 ; UA10.24 29.91,167.78 ; 40.02,2.09 SW2.3 ; SW2.3 42.58,2.09 ; SW2.3 41.3,0.81 ; SW2.3 41.3,3.37 ; 109.93,135.6 J57.4 ; J57.4 110.76,134.77 ; J57.4 110.76,136.42 ; J57.4 111.59,135.6 ; 242.98,81.28 J47.2 244.24,81.28 ; 241.29,25.79 JU4.7 ; JU4.7 242.47,26.97 ; JU4.7 240.12,26.97 ; JU4.7 241.29,28.15 ; 67.63,46.02 J65.4 ; J65.4 67.63,47.68 ; J65.4 68.46,46.85 ; J65.4 66.8,46.85 ; 241.17,43.83 JU3.8 ; JU3.8 242.34,45.01 ; JU3.8 239.99,45.01 ; JU3.8 241.17,46.19 ; UA10.2 8.68,168.95 ; UA10.2 7.91,167.78 ; UA10.2 8.68,166.6 ; UA10.2 9.46,167.78 ; 2.54,111.39 J10.9 ; J10.9 1.54,112.39 ; J10.9 3.54,112.39 ; J10.9 2.54,113.4 ; J28.1 47.66,50.73 ; J28.1 46.73,51.66 ; J28.1 46.73,49.8 ; J28.1 45.8,50.73 ; 8.55,88.79 J24.5 ; J24.5 9.63,89.87 ; J24.5 8.55,90.95 ; J24.5 7.47,89.87 ; J65.10 73.63,47.68 ; J65.10 74.46,46.85 ; J65.10 73.63,46.02 ; J65.10 72.8,46.85 ; JU5.10 194.12,65.05 ; JU5.10 192.29,65.88 ; JU5.10 192.29,64.22 ; JU5.10 190.46,65.05 ; J25.2 52.57,14.68 ; J25.2 51.64,13.75 ; J25.2 53.5,13.75 ; J25.2 52.57,12.82 ; J28.2 47.66,53.23 ; J28.2 46.73,54.16 ; J28.2 46.73,52.3 ; J28.2 45.8,53.23 ; J57.8 115.59,135.6 ; J57.8 114.76,136.42 ; J57.8 114.76,134.77 ; J57.8 113.93,135.6 ; 84.49,35.94 CON10.4 ; CON10.4 86.5,35.94 ; CON10.4 85.49,34.94 ; CON10.4 85.49,36.94 ; CON11.4 42.49,133.31 ; CON11.4 42.49,131.3 ; CON11.4 41.49,132.31 ; CON11.4 43.5,132.31 ; 130.05,123.84 J48.2 ; J48.2 130.05,125.84 ; J48.2 129.04,124.84 ; J48.2 131.05,124.84 ; SW3.1 53.71,5.19 ; SW3.1 54.72,4.19 ; SW3.1 53.71,3.18 ; SW3.1 52.71,4.19 ; 67.18,8.48 JU2.3 66.5,7.3 ; UA10.13 19.68,164.95 ; UA10.13 19.68,162.6 ; UA10.13 20.46,163.77 ; UA10.13 18.91,163.77 ; 44.87,38.01 CON7.4 ; CON7.4 45.88,39.02 ; CON7.4 46.88,38.01 ; CON7.4 45.88,37.01 ; 68.46,6.8 JU2.4 66.5,6.8
  BOTTOM w0.102: 23.01,141.3 23.11,141.4 23.67,141.4 24.1,141.83 24.1,142.52 24.5,142.92 CA153.2
  BOTTOM w0.152: 34.01,147.93 33.12,147.04 25.5,147.04 22.14,143.68 22.14,141.58 22.64,141.09 22.86,141.09 23.01,141.24 23.01,143.23 24.25,144.48
  BOTTOM w0.203: v1(20.07,146.56) 20.07,146.81 v1(22.14,148.88) 22.22,148.97 v1(24.99,148.97) v1(28.6,148.97) v1(32.03,148.97) v1(33.34,150.28) v1(34.86,151.8) v1(36.33,153.28) 37.16,154.1 v1(39.8,154.1) v1(42.39,154.1) v1(44.93,154.1) v1(46.56,154.1) 46.81,154.1 v1(48.44,152.48) v1(49.78,151.13) v1(51.33,149.58) 54.25,146.66 v1(54.38,146.66) v1(55.85,145.19) v1(57.11,143.93) 57.43,143.61 v1(66.9,143.61) 67.11,143.41 67.11,142.84 v1(66.94,142.67) v1(57.66,142.67) 56.77,142.67 v1(56.13,143.31) v1(54.05,145.39) v1(52.65,146.79) v1(51.19,148.25) v1(49.78,149.66) v1(48.36,151.08) v1(46.61,152.83) 46.35,153.09 v1(45.06,153.09) v1(42.39,153.09) v1(40.08,153.09) 37.67,153.09 v1(36.17,151.59) v1(34.18,149.59) v1(32.84,148.26) 32.55,147.97 v1(26.26,147.97) 24.71,147.97 21.21,144.46 v1(21.21,140.99) v1(21.99,140.2) 22.65,139.55 23.3,139.55 23.33,139.52 v1(23.83,139.52) 23.83,138.75 23.33,138.25 v1(22.2,138.25) v1(20.02,140.44) v1(20.02,142.48) 20.02,144.35 v1(20.07,144.4)
  BOTTOM w0.254: 24.25,144.48 v1(25.19,145.41) ; v1(25.19,145.41) 26.39,145.41 v1(26.52,145.54) 30.53,145.54 v1(30.68,145.39) 32.99,145.39 v1(33.02,145.41) v1(33.91,145.41) 34.29,145.41 36.6,147.73 36.6,147.75 37.21,148.36 ; v1(25.19,145.41) 25.19,145.43 25.83,146.08 25.84,146.08 26.64,146.08 26.66,146.1 33.6,146.1 35.86,148.36 37.21,148.36 ; RW47.1 185.29,153.54 185.93,152.91 v1(185.93,152.4) ; v1(65.53,141.94) 65.81,141.66 65.81,141.22 v1(65.33,140.74) ; v1(65.53,141.94) 65.53,142.44 65.3,142.67 ; v1(65.53,141.94) 65.3,141.71 v1(63.58,141.71) v1(57.63,141.71) 56,141.71 48.12,149.59 ; 37.21,148.36 v1(43.05,148.36) 47.9,148.36 55.52,140.74 v1(57.71,140.74) v1(61.62,140.74) v1(63.47,140.74) v1(65.33,140.74) ; v1(22.48,74.93) 22.87,74.54 RP491.2 ; v1(20.07,144.4) v1(20.07,145.67) v1(20.07,146.56) ; v1(23.62,74.93) 24.01,74.54 RP492.2 ; CP244.1 24.14,75.55 v1(23.62,76.07) ; CA153.2 24.66,143.46 25.55,144.35 30.05,144.35 v1(30.12,144.27) 32.29,144.27 v1(32.73,143.84) 34.14,143.84 37.11,146.81 v1(38.73,146.81) v1(43.21,146.81) v1(43.81,146.81) 48.05,146.81 v1(48.07,146.79) 48.07,146.77 v1(49.95,144.89) v1(51.73,143.12) v1(54.27,140.58) 55.19,139.65 v1(56.54,139.65) v1(61.32,139.65) 62.17,139.65 v1(62.25,139.57) v1(63.8,139.57) v1(65.2,139.57) 65.66,140.03 65.66,140.41 v1(65.33,140.74) ; v1(172.85,62.18) 172.39,62.18 172.09,62.48 R1037.1 ; CA64.1 61.98,147.19 v1(61.72,147.45) ; CL15.2 205.53,161.25 v1(205.74,161.04) ; C455.2 36.95,114.52 v1(36.92,114.55) ; CA65.1 62.99,147.19 v1(63.25,147.45) ; 34.01,147.93 35.67,149.59 v1(42.67,149.59) v1(44.58,149.59) 48.12,149.59 ; v1(87.66,152.17) 87,151.51 CE1.1 ; v1(65.85,154.73) 65.4,154.27 C151.2 ; 48.12,149.59 46.79,150.92 v1(46.61,150.92) 45.43,152.1 v1(42.55,152.1) v1(40.01,152.1) ; v1(36.83,120.52) 36.79,120.57 C453.2
  BOTTOM w0.305: DU13.1 72.71,12.43 DU10.1 72.71,11.25 v1(72.15,10.69) ; CL8.2 v1(137.41,160.57) ; ESD23.1 v1(214.76,158.75) ; UL1.2 v1(142.49,140.72) ; CA152.2 24.27,139.52 v1(23.83,139.52) ; v1(202.79,133.35) 201.12,133.35 QL4.2 ; v1(204.34,132.97) 204.34,132.54 204.04,132.24 RL33.1 ; CW17.1 v1(196.51,105.41) ; v1(145.95,160.78) 146.54,160.19 ESD10.1 ; RA135.1 v1(26.8,132.29) ; v1(19.16,82.6) 19.65,82.12 CP260.1 ; CP208.1 183.26,105 182.96,105.31 v1(182.47,105.31) ; RA121.1 v1(25.96,142.97) 25.58,142.97 25.53,142.92 CA153.2 ; v1(24.89,122.43) 24.68,122.22 C450.2 24.89,121.58 U43.4 ; RA120.1 v1(26.8,139.96) ; v1(142.37,148.46) 142.29,148.39 CL68.1 ; RA143.1 v1(55.35,132.97) ; QL2.2 138.02,135.38 v1(138.43,135.38) ; R199.1 v1(80.64,141.52) ; v1(36.83,120.52) C461.1 ; v1(67.93,10.91) 67.89,10.95 EU1.8 EU1.3 v1(67.89,13) ; v1(75.78,10.91) 75.78,11.08 75.69,11.18 EU2.8 EU2.3 v1(75.69,13) ; C156.1 v1(10.41,121.79) ; QW2.2 v1(197.83,102.36) ; RA119.1 27.11,138.01 v1(26.77,137.67) ; DU11.1 69.96,11.25 v1(70.52,10.69) ; RW33.2 v1(184.07,146.05) ; v1(142.49,145.67) 142.58,145.75 CL69.1 ; v1(13.08,118.24) 13.34,118.24 13.65,118.55 D30.1 ; C458.1 33.96,120.7 v1(34.16,120.9) ; v1(64.14,147.83) 66.55,150.24 CA66.2 ; v1(49.33,137.26) RL236.2 ; FB14.1 v1(225.88,105.31) ; RL9.2 v1(133.22,135.89) ; v1(139.45,159.03) 139.84,159.42 CL4.2 ; J3.1 194.37,118.45 196.13,118.45 v1(196.47,118.11) ; RA136.1 v1(26.8,134.2) ; v1(10.67,111.12) 10.54,111.25 R86.2 ; CA147.2 25.06,135.97 v1(25.27,135.76) 25.61,136.1 RA116.1 ; v1(25.27,137.67) 25.06,137.88 CA151.2 ; ESD56.2 v1(197.49,111.89) ; CA15.2 110.87,150.64 v1(110.87,151.76) ; v1(115.65,141.86) 115.65,142.29 115.33,142.6 RA18.2 ; v1(20.32,122.68) 20.02,122.38 C451.2 ; CW20.1 v1(198.37,111.89) ; Q47.2 v1(52.24,136.53) ; CA158.2 v1(25.27,132.16) ; RL12.1 v1(133.99,135.76) ; v1(41,141.43) 40.84,141.27 CA140.2 ; v1(91.67,40.59) 91.67,40.82 91.26,41.22 ESD87.1 91.27,41.36 R453.2 ; C403.2 91.1,43.58 v1(91.39,43.87) ; RL227.1 v1(140.42,145.41) ; C449.1 v1(20.95,111.38) ; CW22.1 177.51,144.83 177.42,144.74 177.42,144.44 v1(177.45,144.41) ; RP459.2 32.68,71.38 v1(33.12,71.82) ; CW23.1 v1(180.29,145.29) ; Q18.2 v1(12.57,117.41) ; RW82.1 v1(194.94,100.46) ; CA141.2 v1(39.5,142.11) ; CW14.1 v1(200.15,114.91) ; U57.14 v1(31.75,135.3) ; Q14.2 v1(80.1,137.92) ; RM63.2 v1(36.41,119) ; CA159.2 v1(25.27,134.07) ; R1008.2 v1(10.41,117.86)